# Altium PCB gpn-badge.PcbDoc (part 2 of 2)
Units mm, origin at the board's own origin, x right, y up, seen from the top; angles counter-clockwise.
Board outline 33.25 x 156.75 mm, 2 copper layers (Top Layer, Bottom Layer), stack 1.571 mm thick; 107 components, 95 nets, 455 pads, 372 vias.
Unrouted connection lines stored in the file: 1.
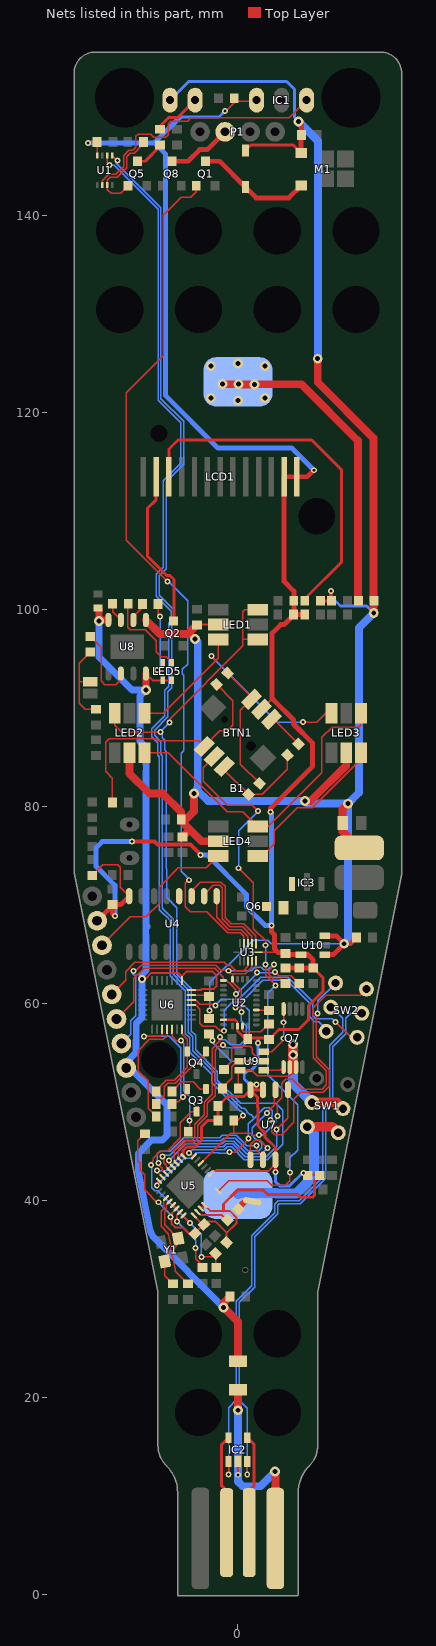
[diagram p2: the nets of this part, all layers, seen from the top]

## Via types
v1: diameter 0.6, hole 0.3, Top Layer to Bottom Layer, tented both sides, 323 vias
v2: diameter 1, hole 0.5, Top Layer to Bottom Layer, tented both sides, 25 vias
v3: diameter 0.5, hole 0.3, Top Layer to Bottom Layer, 23 vias
v4: diameter 0.8, hole 0.4, Top Layer to Bottom Layer, 1 vias

## Nets (pads, with @x,y where several pads share a name; then routed paths per layer and width w, separated by ;. In a path a pad name is that pad's centre, name@x,y a point inside that pad or via, vN(x,y) a via of type N, cw(c..) or ccw(c..) an arc to the next point about the centre after c; other vN are vias at no path point) (continued)
NetANT1_1: ANT1.1 C14.2 | length 1.5
  Top Layer w0.2: ANT1.1@0.836,40.036 ANT1.1@1.372,40.036
  Top Layer w0.635: C14.2@0.166,39.366 ANT1.1@0.836,40.036
NetB1_1: B1.1 R34.1 | length 32.4
  Top Layer w0.8: v2(-1.549,122.935) -1.524,122.909 v2(0.076,122.909) 0.102,122.884 v2(1.676,122.884) 1.676,122.909 6.452,122.909 12.179,117.181 R34.1@12.179,100.913
  other v2: 0,121.25 -2.75,121.5 2.75,121.5 -2.75,124.75 2.75,124.75 0,125
NetB1_2: B1.2 SW1.3 SW1.4 | length 17.2
  Top Layer w1: SW1.3@7.05,47.507 9.58,47.507 SW1.4@10.191,46.897
  Bottom Layer w1: B1.2@0,40.65 0.116,40.766 3.864,40.766 3.916,40.713 5.913,40.713 7.732,42.532 7.732,46.825 SW1.3@7.05,47.507
NetBTN1_1: BTN1.1 R1.2 R7.2 | length 25.5
  Top Layer w0.15: R7.2@-12.738,80.416 -12.738,82.918 -13.437,83.617 -13.437,86.538 -13.081,86.893 -8.335,86.893 -8.14,86.699 -3.993,86.699 BTN1.1@-3.408,86.114 -1.822,87.7 -1.1,87.7 -0.5,88.3 -0.5,90.769 R1.2@-2.166,92.434
NetBTN1_3: BTN1.3 R5.1 R6.2 | length 10.3
  Top Layer w0.15: BTN1.3@-1.386,84.092 -1.386,83.718 R5.1@1.085,81.246 2.482,81.246 5.034,83.798 R6.2@5.034,85.234
NetBTN1_4: BTN1.4 R1.1 R5.2 | length 13.5
  Top Layer w0.15: R1.1@-1.034,93.566 1.386,91.145 BTN1.4@1.386,90.908 0.254,89.776 0.254,84.34 R5.2@2.217,82.378
NetBTN1_6: BTN1.6 R6.1 | length 3.8
  Top Layer w0.15: BTN1.6@3.408,88.886 3.645,88.886 R6.1@6.166,86.366
NetC10_2: C10.2 U2.9 | length 1.3
  Top Layer w0.15: U2.9@1.872,59.36 3.11,59.36 C10.2@3.15,59.32 ; U2.9@1.874,59.314 U2.9@1.88,59.32
NetC14_1: C14.1 U5.2 | length 3.2
  Top Layer w0.15: U5.2@-4.116,38.848 U5.2@-3.868,38.6
  Top Layer w0.2: U5.2@-3.868,38.6 -3.818,38.55 -1.65,38.55 -1.434,38.334 C14.1@-1.166,38.334
NetC15_2: C15.2 U5.27 Y1.1 | length 9.8
  Top Layer w0.15: U5.27@-7.298,40.263 -7.551,40.01 -7.551,39.184 -7.798,38.937 -7.798,37.387 -7.053,36.642 -6.771,35.26 -7.239,34.517 -7.214,34.39 Y1.1@-7.443,33.847 -7.443,32.397 C15.2@-6.604,31.558
NetC17_2: C17.2 U6.6 | length 1.4
  Top Layer w0.15: U6.6@-4.724,60.876 C17.2@-3.372,60.876
NetC19_2: C19.2 U5.28 Y1.3 | length 9.9
  Top Layer w0.15: U5.28@-6.945,39.909 -7.251,39.603 -7.251,39.06 -7.442,38.868 -7.442,37.538 Y1.3@-6.057,36.153 -5.988,35.865 -6.716,34.68 -6.35,33.044 -6.35,32.828 C19.2@-5.08,31.558
NetC28_1: C28.1 Q7.6 Q7.7 SW1.2 SW1.5 U9.6 | length 20.7
  Top Layer w0.15: C28.1@0.038,51.383 0.038,53.042 U9.6@0.222,53.227 1.429,53.227 1.979,52.677 3.266,52.677 3.318,52.625 5.23,52.625 5.588,52.983 5.588,53.313
  Top Layer w1: 5.588,53.313 v2(5.588,55.879) ; SW1.2@7.527,49.961 10.057,49.961 SW1.5@10.668,49.351
  Bottom Layer w1: v2(5.588,55.879) 5.588,51.9 SW1.2@7.527,49.961
  other v2: 5.613,54.812
NetC28_2: C28.2 R27.1 U9.5 | length 11.3
  Top Layer w0.15: R27.1@-2.667,57.288 -2.743,57.212 -2.743,57.085 -2.616,56.958 -2.768,56.806 -2.565,56.603 v1(-2.565,56.261) ; C28.2@-1.562,51.383 -1.562,51.523 -0.635,52.45 -0.635,53.618 0.146,54.399 0.146,54.101 U9.5@0.222,54.177 1.245,54.177 v1(1.27,54.151)
  Bottom Layer w0.15: v1(-2.565,56.261) -2.565,56.032 -0.684,54.151 v1(1.27,54.151)
NetC31_1: C31.1 IC3.1 Q6.3
NetD1_1: D1.1 M1.2 Q1.3 | length 11.8
  Top Layer w0.5: Q1.3@-3.277,145.546 -1.855,145.546 D1.1@0.762,142.929 1.857,141.834 5.181,141.834 M1.2@6.426,143.079
NetIC1_3: IC1.3 U1.2 | length 26.8
  Top Layer w0.15: U1.2@-13.763,143.128 -13.763,143.565 -13.111,144.216 -12.4,144.216 -11.603,145.013 -11.603,146.123 -11.067,146.66 -10.668,146.66 -10.363,146.964 -10.363,148.082 -10.135,148.311 -8.865,148.311 -8.56,148.006 -7.315,148.006 -7.061,148.26 -7.061,149.377 -6.807,149.631 -5.105,149.631 -4.775,149.962 5.193,149.962 IC1.3@6.985,151.754
NetJ2_1: pad.8@-15,92.7 R28.1 R29.2 | length 8.6
  Top Layer w0.15: pad.8@-15,92.7 -16.129,92.7 ; R28.1@-15,95.7 -16.129,94.571 -16.129,92.7 ; R29.2@-14.6,89.9 -15.5,89.9 -16.129,90.529 -16.129,92.7
NetLCD1_11: LCD1.11 R4.1 | length 36.8
  Top Layer w0.3: LCD1.11@-7,113.5 -7,116.341 -6.096,117.245 7.493,117.245 10.541,114.197 10.541,104.862 6.922,101.243 R4.1@6.922,100.914
NetLCD1_12: LCD1.12 Q2.3 | length 16.3
  Top Layer w0.3: LCD1.12@-8.3,113.5 -8.3,111.182 -9.169,110.312 -9.169,105.431 -7.207,103.469 -6.889,103.469 -6.5,103.08 -6.5,98.914 Q2.3@-6.553,98.861
NetLED1_3: LED1.3 LED2.4 LED3.6 | length 27.7
  Top Layer w0.15: LED2.4@-9.5,89.5 -7.6,89.5 -2.2,94.9 ; v1(-2.7,95.3) -2.3,94.9 -2.2,94.9 ; LED1.3@-2,97 -2,95.1 -2.2,94.9 ; v1(6.6,88.6) 8,88.6 8.9,89.5 LED3.6@9.5,89.5
  Bottom Layer w0.15: v1(-2.7,95.3) 4,88.6 v1(6.6,88.6)
NetLED2_3: LED2.3 LED3.4 LED4.6 | length 32.7
  Top Layer w0.15: LED2.3@-9.5,85.5 -7.065,85.5 -1.065,79.5 0.5,79.5 LED4.6@2,78 3.095,78 8.534,83.439 8.534,87.034 9.586,88.086 12.286,88.086 12.5,88.3 LED3.4@12.5,89.5
NetLED3_3: LED3.3 LED4.4 | length 16.3
  Top Layer w0.15: LED4.4@2,75 2,75.233 2.702,75.233 3.708,76.24 3.708,77.57 6.013,79.875 7.559,79.875 12.294,84.61 12.294,85.5 LED3.3@12.5,85.5
NetLED5_2: LED5.2 R35.1 | length 9
  Top Layer w0.15: R35.1@-11.138,100.608 -11.201,100.545 -11.201,98.246 -10.947,97.992 -9.423,97.992 -8.306,96.874 -8.306,95.757 -7.788,95.239 -7.288,95.239 -6.731,94.682 LED5.2@-6.731,94.639
NetLED5_4: LED5.4 R36.1 | length 8
  Top Layer w0.15: v1(-8.23,93.877) -7.631,94.476 LED5.4@-7.631,94.639 ; R36.1@-8.1,100.6 -8.1,99.539 v1(-7.899,99.338)
  Bottom Layer w0.15: v1(-8.23,93.877) -7.899,94.207 v1(-7.899,99.338)
NetLED6_2: LED6.2 R2.2 | length 4.8
  Top Layer w0.3: R2.2@-7.976,149.034 -7.004,150.006 -6.091,150.006 LED6.2@-4.343,151.754
NetP1_2: P1.2 Q8.3 | length 6.6
  Top Layer w0.5: Q8.3@-6.7,145.55 -5.072,145.55 -3.886,146.736 -3.099,146.736 P1.2@-1.295,148.539
NetQ3_1: Q3.1 R15.2 | length 4.1
  Top Layer w0.15: R15.2@-6.693,51.332 -6.477,51.332 -5.745,52.064 -4.542,52.064 -3.817,51.339 Q3.1@-3.241,51.339
NetQ3_2: Q3.2 R16.1 U6.24 | length 14.1
  Top Layer w0.15: v1(-9.525,56.691) -9.601,56.691 -9.618,56.675 -7.89,56.675 -7.699,56.866 U6.24@-7.699,57.374 ; R16.1@-6.693,50.062 -6.045,50.062 v1(-5.588,50.519) ; v1@-5.571,50.528 Q3.2@-4.938,51.161
  Bottom Layer w0.15: v1(-9.525,56.691) -6.96,56.691 -6.316,56.048 -6.316,56.042 -6.009,55.735 -6.003,55.735 -5.79,55.522 -5.79,50.722 v1(-5.588,50.519)
NetQ4_1: Q4.1 R16.2 | length 7.9
  Top Layer w0.15: R16.2@-8.293,49.833 -7.493,50.633 -7.493,51.572 -7.14,51.925 -6.349,51.925 -3.241,55.033 Q4.1@-3.241,55.149
NetQ4_2: Q4.2 R15.1 U6.28 | length 7.7
  Top Layer w0.15: R15.1@-8.293,51.332 -8.034,51.332 -8.034,51.455 -7.264,52.225 -6.473,52.225 -5.141,53.557 Q4.2@-5.141,55.149 -5.141,56.387 U6.28@-5.688,56.934
NetQ5_1: Q5.1 R10.2 U1.3 | length 9.6
  Top Layer w0.15: Q5.1@-11.15,143.05 -11.909,142.291 -12.878,142.291 -13.263,142.676 U1.3@-13.263,143.128 -13.263,143.641 -12.987,143.916 -12.276,143.916 -11.303,144.889 -11.303,145.999 -10.943,146.36 -10.544,146.36 -9.589,147.315 R10.2@-9.589,147.498
NetQ5_3: Q5.3 R2.1 | length 3.3
  Top Layer w0.3: Q5.3@-10.2,145.55 -9.415,145.55 -7.976,146.99 R2.1@-7.976,147.434
NetQ7_4: Q7.4 U9.3 | length 5.7
  Top Layer w0.15: U9.3@2.622,55.127 3.439,55.127 4.623,56.31 v1(4.623,56.49) ; Q7.4@4.635,59.464 4.635,58.128 v1(4.648,58.115)
  Bottom Layer w0.15: v1(4.623,56.49) 4.648,56.515 v1(4.648,58.115)
NetQ7_5: Q7.5 U9.1 | length 2.2
  Top Layer w0.15: U9.1@2.622,53.227 4.299,53.227 Q7.5@4.635,53.564
NetR11_1: R11.1 U2.4 | length 3.5
  Top Layer w0.15: U2.4@0.457,57.733 0.457,57.289 0.61,57.137 2.338,57.137 R11.1@3.15,57.949
NetR17_1: R17.1 U6.26 | length 11.4
  Top Layer w0.15: U6.26@-6.688,56.934 -6.688,56.674 -6.274,56.26 v1(-5.791,56.26) ; R17.1@-5.042,47.008 -4.902,47.148 v1(-4.902,48.132) ; R17.1@-4.864,46.969 R17.1@-4.864,47.357
  Bottom Layer w0.15: v1(-5.791,56.26) -5.49,55.959 -5.49,51.164 -4.902,50.576 v1(-4.902,48.132)
NetR18_1: R18.1 U6.25 | length 11.6
  Top Layer w0.15: R18.1@-8.293,48.563 -9.119,49.389 -9.119,52.17 -10.109,53.161 -10.109,55.244 -8.978,56.375 -7.555,56.375 -7.199,56.731 U6.25@-7.199,57.374
NetR19_1: R19.1 U5.31 | length 6.9
  Top Layer w0.15: v1(-6.2,37.9) -6.2,38.532 U5.31@-5.884,38.848 ; v1(-4.3,35.2) -4.3,34.118 -3.6,33.418 R19.1@-3.6,33.2
  Bottom Layer w0.15: v1(-6.2,37.9) -4.3,36 v1(-4.3,35.2)
NetR28_2: R28.2 U8.2 | length 8
  Top Layer w0.15: R28.2@-15,97.3 -13.9,96.2 -13.9,92.8 -13.5,92.4 -12.4,92.4 -11.885,92.915 U8.2@-11.885,93.525
NetR30_2: R30.2 U9.2 | length 6.7
  Top Layer w0.15: R30.2@-1.397,53.326 -1.397,53.391 -0.624,54.164 -0.624,55.474 -0.488,55.61 -0.421,55.677 1.243,55.677 1.448,55.472 1.448,55.015 2.286,54.177 U9.2@2.622,54.177
NetR35_2: R35.2 U8.7 | length 2
  Top Layer w0.15: R35.2@-12.7,100.6 -12.7,99.79 U8.7@-11.885,98.975
NetR36_2: R36.2 U8.6 | length 2
  Top Layer w0.15: U8.6@-10.615,98.975 -10.615,99.285 -9.7,100.2 R36.2@-9.7,100.6
NetU3_1: U3.1 U4.11 | length 12.6
  Top Layer w0.15: U4.11@-4.699,70.667 U4.11@-4.699,70.921 -4.699,71.449 -3.81,72.338 -1.727,72.338 -1.309,71.92 -1.309,68.755 -0.677,68.123 0.593,68.123 1.816,66.9 U3.1@1.816,66.091 U3.1@1.816,66.04
NetU3_2: U3.2 U4.10 | length 10.5
  Top Layer w0.15: U4.10@-3.429,70.667 U4.10@-3.429,70.921 -3.429,71.119 -2.51,72.038 -1.851,72.038 -1.609,71.795 -1.609,68.631 -0.801,67.823 0.469,67.823 1.416,66.876 U3.2@1.416,66.091 U3.2@1.416,66.04
NetU3_3: U3.3 U4.9 | length 6.7
  Top Layer w0.15: U4.9@-2.159,70.667 -2.159,68.756 -0.925,67.523 0.345,67.523 1.016,66.851 U3.3@1.016,66.091 U3.3@1.016,66.04
NetU5_20: U5.20 U7.1 | length 16.2
  Top Layer w0.15: v1(-7.01,44.068) -7.01,43.864 U5.20@-6.591,43.445 ; U7.1@1.27,44.15 1.27,45.699 1.696,46.125 2.261,46.125 2.997,45.388 v1(2.997,45.338)
  Bottom Layer w0.15: v1(-7.01,44.068) -6.999,44.068 -5.275,45.791 -1.594,45.791 -1.33,46.056 -0.398,46.056 0.892,44.767 2.426,44.767 v1(2.997,45.338)
NetU5_21: U5.21 U7.6 | length 20.7
  Top Layer w0.15: v1(-7.645,44.499) -7.535,44.389 -7.535,43.85 -7.26,43.574 -7.26,43.406 -7.193,43.34 U5.21@-6.945,43.091 ; v1@2.857,48.856 v1@2.892,48.89 ; v1(2.948,48.89) v1@2.892,48.89 ; U7.6@3.81,51.25 3.688,51.128 3.688,49.686 v1@2.892,48.89
  Bottom Layer w0.15: v1(-7.645,44.499) -7.55,44.595 -6.896,44.595 -5.399,46.091 -1.719,46.091 -1.454,46.356 -0.273,46.356 1.016,45.067 2.122,45.067 2.43,45.374 2.43,45.809 2.104,46.135 1.916,46.135 1.609,46.442 1.609,46.52 1.592,46.52 1.448,46.664 1.448,47.42 2.918,48.89 v1(2.948,48.89)
NetU5_22: U5.22 U7.2 | length 15.6
  Top Layer w0.15: v1(-8.06,43.827) -8.06,43.577 -8.012,43.577 -7.705,43.269 -7.705,43.144 U5.22@-7.298,42.737 ; v1(1.905,45.592) 1.905,45.109 2.54,44.474 U7.2@2.54,44.15
  Bottom Layer w0.15: v1@-7.942,43.946 v1(-8.06,43.827) -8.17,43.937 -8.17,44.748 -7.894,45.024 -6.891,45.024 -5.524,46.391 -1.843,46.391 -1.578,46.656 -0.149,46.656 0.916,45.592 v1(1.905,45.592)
NetU5_23: U5.23 U7.5 | length 21.7
  Top Layer w0.15: v1(-8.23,43.052) -8.319,43.052 U5.23@-7.652,42.384 ; v1(3.937,47.219) 3.937,47.243 5.08,48.386 U7.5@5.08,51.25
  Bottom Layer w0.15: v1(-8.23,43.052) -7.284,43.052 -5.525,44.811 -5.525,45.117 -5.151,45.491 -1.47,45.491 -1.205,45.756 -0.522,45.756 0.768,44.467 2.869,44.467 3.937,45.535 v1(3.937,47.219)
NRST: C25.2 Q3.3 R24.2 U5.32 | length 23.8
  Top Layer w0.15: v1(-8.814,43.61) -8.814,43.816 -8.582,44.048 -8.582,44.325 -7.873,45.034 -7.187,45.034 -5.842,46.379 -5.842,47.934 -4.737,49.039 Q3.3@-4.191,49.039 ; U5.32@-5.53,38.495 -5.53,38.397 v1(-4.851,37.718) ; v1(-3.7,34.3) -2.6,34.3 R24.2@-2.266,34.634 -2.266,33.266 C25.2@-2.2,33.2
  Bottom Layer w0.15: v1(-8.814,43.61) -8.762,43.559 -8.762,41.333 -8.455,41.026 -8.16,41.026 v1(-4.851,37.718) -3.7,36.566 v1(-3.7,34.3)
NTCSNS: U4.12
OUT1: pad.1@-12.815,60.948 U3.9 | length 16.8
  Top Layer w0.15: pad.1@-12.815,60.948 -11.405,62.358 -11.405,63.27 -10.463,64.211 -1.404,64.211 -1.099,63.906 -0.756,63.906 -0.415,63.565 -0.415,63.54 -0.233,63.358 0.571,63.358 1.016,63.803 U3.9@1.016,64.361
PCB_N: IC2.1 pad.3 | length 10.6
  Top Layer w0.3: IC2.1@0.95,15.931 1.651,15.23 1.651,11.048 1.143,10.54 pad.3@1.143,6.3 pad.3@1.143,5.866
PCB_P: IC2.3 pad.2 | length 10.6
  Top Layer w0.3: pad.2@-1.143,5.866 pad.2@-1.143,6.3 -1.143,10.54 -1.651,11.048 -1.651,15.23 IC2.3@-0.95,15.931
ROM: BTN1.2 U5.8 | length 59.8
  Top Layer w0.15: BTN1.2@-2.397,85.103 -3.531,83.969 -3.531,82.599 -1.092,80.161 1.448,80.161 v1(2.032,79.577) ; U5.8@-1.995,40.97 -0.919,42.045 2.997,42.045 3.454,41.588 4.808,41.588 4.96,41.741 4.967,41.741 5.275,42.048 5.275,42.055 5.283,42.064 v1(5.283,42.85) ; v1(0.076,73.76) 1.575,72.262 1.575,67.615 2.819,66.37 v1(2.819,65.938) ; v1(2.819,63.983) 2.819,62.916 2.816,62.912 3.835,61.893 v1(3.835,61.849)
  Bottom Layer w0.15: v1(0.076,73.76) 0.076,77.57 2.057,79.551 v1(2.032,79.577) ; v1(2.819,63.983) v1(2.819,65.938) ; v1(3.835,61.849) 3.816,61.849 3.265,61.299 3.241,61.299 3.023,61.08 3.023,52.799 6.063,49.759 6.063,45.115 5.283,44.336 v1(5.283,42.85)
SCL: pad.1@-11.829,55.965 R32.2 U2.19 U3.10 U5.19 | length 56.9
  Top Layer w0.15: U5.19@-6.237,43.798 -6.477,44.038 -6.477,45.134 -5.481,46.13 -4.653,46.13 -4.364,46.419 -4.364,47.783 -3.404,48.743 -3.404,50.011 -2.616,50.799 -2.616,55.453 -1.803,56.265 -1.803,56.457 -1.963,56.617 v1(-1.829,56.617) ; -0.541,63.024 -0.541,62.185 0.322,61.323 0.322,59.011 v1@0.356,59.045 ; v1@0.356,58.927 v1@0.356,59.045 ; v1(0.356,59.155) v1@0.356,59.045 ; U3.10@1.416,64.31 1.416,63.721 0.753,63.058 -0.65,63.058 v1(-0.94,63.348) -0.991,63.398 -1.734,63.398 -2.247,63.911 -9.834,63.911 -10.425,63.321 v1(-10.592,63.321) ; v1(3.665,63.971) 3.665,63.882 3.15,63.367 3.15,63.003 3.643,62.509 4.356,62.509 R32.2@4.826,62.04 ; v1(-10.592,63.321) -10.592,63.473 -10.744,63.321 v1(-10.592,63.321)
  Bottom Layer w0.15: pad.1@-11.829,55.965 -10.9,56.893 -10.9,58.252 -10.379,58.773 -10.379,62.767 -10.668,63.056 -10.541,63.183 -10.592,63.234 v1(-10.592,63.321) ; v1(-1.829,56.617) -1.565,56.353 -1.281,56.353 -0.741,55.812 0.219,55.812 0.843,56.436 0.843,57.779 0.356,58.266 v1(0.356,59.155) ; v1(-0.94,63.348) 1.367,63.348 1.713,63.693 2.366,63.693 2.602,63.458 3.037,63.458 3.273,63.693 3.476,63.693 3.632,63.85 3.581,63.901 3.651,63.971 v1(3.665,63.971)
SDA: pad.1@-12.322,58.456 R26.2 U2.20 U3.11 U5.18 | length 50.2
  Top Layer w0.15: pad.1@-12.322,58.456 -10.566,60.212 -10.566,62.579 -9.534,63.611 -2.372,63.611 -1.468,62.707 -1.468,62.325 -1.168,62.325 -1.168,62.378 -0.698,61.908 -0.688,61.908 -0.203,61.423 v1(-0.203,60.984) -0.203,60.273 -0.254,60.222 -0.226,60.194 v1(-0.226,59.634) ; U5.18@-5.884,44.152 -6.075,44.343 -6.075,45.112 -5.357,45.83 -4.528,45.83 -4.064,46.295 -4.064,47.658 -3.104,48.618 -3.104,49.887 -2.316,50.674 -2.316,55.275 -1.89,55.701 -1.626,55.701 v1(-1.499,55.828) ; U3.11@1.816,64.31 1.816,63.181 1.93,63.067 v1(1.93,63.168) ; v1(3.759,63.221) 4.14,62.84 5.423,62.84 R26.2@6.223,62.04
  Bottom Layer w0.15: v1(-1.499,55.828) -1.183,55.512 0.343,55.512 1.143,56.312 1.143,59.282 0.744,59.681 -0.211,59.681 v1@-0.163,59.634 ; v1(-0.226,59.634) v1@-0.163,59.634 ; v1(-0.203,60.984) -0.203,60.933 1.93,63.067 v1(1.93,63.168) 2.467,63.168 2.478,63.158 3.696,63.158 v1(3.759,63.221) ; v1@-0.076,59.547 v1@-0.163,59.634
SER_N: SW2.1 U6.5 | length 21.6
  Top Layer w0.15: U6.5@-4.724,60.376 -4.724,60.391 -4.31,60.391 -3.852,59.934 -2.403,59.934 v1(-2.286,59.817) ; v1(9.906,58.165) 11.487,56.584 SW2.1@12.102,56.584
  Bottom Layer w0.15: v1(-2.286,59.817) -2.286,59.842 -1.676,60.452 -0.575,60.452 -0.568,60.459 0.109,60.459 2.329,62.679 5.087,62.679 7.578,60.188 7.578,58.785 7.885,58.478 9.593,58.478 v1(9.906,58.165)
SER_P: SW2.6 U6.4 | length 22.2
  Top Layer w0.15: U6.4@-4.724,59.876 -4.302,59.876 -3.861,59.435 -3.861,58.014 -3.581,57.734 -2.286,57.734 -1.753,57.201 v1@-1.473,57.201 ; v1@-1.499,57.175 v1@-1.473,57.201 ; v1(-1.397,57.252) -1.422,57.252 v1@-1.473,57.201
  Bottom Layer w0.15: v1(-1.397,57.252) -1.397,59.361 -1.361,59.361 -0.584,60.137 -0.465,60.137 -0.444,60.159 -0.009,60.159 0.013,60.137 0.295,60.137 0.622,60.464 0.622,60.47 2.525,62.374 4.968,62.374 7.278,60.064 7.278,58.661 7.761,58.178 8.216,58.178 8.96,57.434 SW2.6@8.96,57.194
SW_N: IC2.6 SW2.2 | length 55.6
  Top Layer w0.15: v1(0.95,12.201) IC2.6@0.95,13.531
  Bottom Layer w0.15: v1(0.95,12.201) 0.95,18.911 0.148,19.714 0.148,29.686 1.688,31.227 1.688,36.328 4.025,38.665 4.025,39.516 4.197,39.688 6.337,39.688 8.911,42.262 8.911,49.227 9.613,49.929 9.613,55.644 10.943,56.974 10.943,58.546 11.435,59.038 SW2.2@12.579,59.038
SW_P: IC2.4 SW2.5 | length 55.4
  Top Layer w0.15: v1(-0.95,12.18) IC2.4@-0.95,13.531
  Bottom Layer w0.15: v1(-0.95,12.18) -0.95,18.962 -0.152,19.76 -0.152,29.811 1.388,31.351 1.388,36.452 3.725,38.789 3.725,39.641 4.073,39.988 6.213,39.988 8.611,42.386 8.611,49.351 9.313,50.053 9.313,55.768 10.643,57.098 10.643,58.546 9.54,59.649 SW2.5@9.437,59.649
USB_N: R20.1 SW2.3 U1.6 U5.14 | length 143.4
  Top Layer w0.15: U1.6@-13.263,146.128 -13.263,145.394 v1(-13.056,145.186) ; U5.14@-3.763,43.798 -0.733,46.828 -0.398,46.828 ; v1(0.508,48.641) 0.457,48.641 -0.052,48.132 R20.1@-0.419,48.132 -0.419,46.849 -0.398,46.828 ; v1@2.11,46.66 1.452,46.66 1.284,46.828 -0.398,46.828 ; v1(4.013,48.616) 4.013,49.957 3.988,49.983 4.445,50.44 4.445,51.907 4.863,52.325 5.297,52.325 5.3,52.323 5.539,52.323 6.533,51.329 8.564,51.329 8.991,51.755 8.991,53.195 7.673,54.512 7.673,58.69 7.578,58.785 7.578,59.519 8.915,60.857 12.421,60.857 SW2.3@13.056,61.492
  Bottom Layer w0.15: v1(-13.056,145.186) -13.005,145.136 -12.548,145.136 -8.111,140.699 -8.111,121.293 -5.817,118.999 -5.817,114.902 -7.59,113.129 -7.59,104.306 -8.288,103.608 -8.288,101.367 -6.765,99.845 -6.765,99.704 -6.774,99.695 -6.774,98.872 -6.999,98.647 -6.999,92.228 -7.417,91.811 -7.417,89.253 -8.759,87.91 -8.759,87.119 -8.125,86.484 -8.125,86.228 -8.149,86.205 -8.149,85.798 -8.14,85.79 -8.14,85.229 -7.971,85.06 -7.971,69.567 -6.879,68.475 -6.879,62.847 -5.782,61.751 -5.778,61.751 -5.324,61.297 -5.324,56.96 -4.89,56.526 -4.89,55.081 -2.672,52.862 -2.672,51.993 -0.012,49.333 0.251,49.07 0.358,49.07 0.508,48.92 v1(0.508,48.641) v1@0.508,48.768 ; v1(2.134,46.66) 2.516,46.66 3.54,47.684 3.545,47.684 3.852,47.992 3.852,48.277 4.013,48.438 v1(4.013,48.616)
USB_P: SW2.4 U1.5 U5.24 | length 148.3
  Top Layer w0.15: U1.5@-12.763,146.128 -12.253,145.618 v1(-12.243,145.618) ; v1(-8.237,41.551) -8.237,41.685 -8.294,41.741 U5.24@-8.005,42.03 ; v1(-0.864,44.931) -0.279,44.931 1.092,46.303 v1(1.067,46.303) ; v1(3.327,48.209) 3.412,48.125 3.412,47.001 3.72,46.694 4.429,46.694 5.69,47.954 5.69,50.317 6.401,51.029 8.688,51.029 9.291,51.631 9.291,53.319 7.973,54.636 7.973,58.874 v1(8.103,59.003)
  Bottom Layer w0.15: v1(-12.243,145.618) -12.243,145.44 -12.335,145.348 -7.811,140.823 -7.811,121.418 -5.517,119.123 -5.517,114.778 -7.29,113.005 -7.29,104.182 -7.988,103.484 -7.988,101.491 -6.465,99.969 -6.465,99.501 -6.474,99.492 -6.474,98.748 -6.699,98.523 -6.699,92.104 -7.117,91.686 -7.117,89.128 -8.459,87.786 -8.459,87.243 -7.825,86.609 -7.825,86.104 -7.849,86.081 -7.84,86.072 -7.84,85.353 -7.671,85.184 -7.671,69.692 -6.579,68.6 -6.579,62.971 -5.658,62.051 -5.654,62.051 -5.024,61.421 -5.024,57.084 -4.59,56.65 -4.59,55.205 -2.372,52.986 -2.372,52.117 0.375,49.37 0.669,49.37 0.923,49.117 0.923,49.008 1.23,48.7 1.339,48.7 1.652,48.387 ; v1@-7.999,41.608 -8.237,41.37 v1(-8.237,41.551) -5.458,44.33 -4.736,44.33 -4.219,44.847 -1.942,44.847 -1.899,44.804 -0.864,44.804 v1(-0.864,44.931) ; v1(1.067,46.303) 1.067,47.801 1.652,48.387 ; v1@3.454,48.386 3.454,48.654 3.473,48.673 3.473,49.108 3.165,49.415 2.73,49.415 2.685,49.37 2.635,49.37 1.652,48.387 ; v1(8.103,59.003) 8.103,60.291 SW2.4@9.914,62.103
VBAT: *.1 C1.2 C2.2 C3.2 C27.2 C29.2 C30.2 D1.2 LED1.2 LED2.2 LED3.2 LED4.2 LED6.1 M1.1 R4.2 R12.2 R27.2 R34.2 U8.5 U10.1 U10.3 | length 219.6
  Top Layer w0.15: v1(-2.87,59.309) -3.059,59.309 -2.794,59.044 R27.2@-2.794,58.507
  Top Layer w0.2: C3.2@-4.166,98.5 LED1.2@-2,98.5
  Top Layer w0.3: C1.2@-5.753,78.713 C1.2@-5.613,78.573 ; D1.2@0.762,146.629 1.326,147.193 5.612,147.193 M1.1@6.426,146.379 ; C2.2@6.426,148.22 C2.2@6.464,148.258 ; R4.2@8.522,100.913 9.449,100.913 v1(9.449,101.905)
  Top Layer w0.5: v2(6.147,149.581) 6.464,149.263 6.464,148.258 C2.2@6.464,148.209 6.426,148.171 M1.1@6.426,146.379 ; U10.1@8.82,64.987 9.693,64.987 v2(10.795,66.089) ; U10.3@8.82,66.887 9.997,66.887 v2(10.795,66.089) ; C29.2@12.052,66.724 11.417,66.089 v2(10.795,66.089)
  Top Layer w0.8: LED2.2@-11,85.5 -11,83.365 -8.965,81.33 -7.619,81.33 -5.753,79.464 C1.2@-5.753,78.713 ; U8.5@-9.345,98.975 -7.905,97.535 -4.877,97.535 -4.877,97.752 C3.2@-4.166,98.463 ; R12.2@-5.613,76.948 -4.899,77.663 -4.899,77.699 ; v2(-4.47,81.33) -4.47,79.53 -5.6,78.4 -4.899,77.699 ; LED4.2@-2,76.5 -3.7,76.5 -4.899,77.699 ; v2(6.8,80.6) 7.4,80.6 11,84.2 LED3.2@11,85.5 ; v2(8.103,125.501) 8.103,123.112 13.779,117.436 13.779,115.988 13.775,115.983 13.775,100.917 R34.2@13.779,100.913 ; v2(11.176,80.313) 11.201,80.313 10.632,79.744 C30.2@10.632,78.358 10.632,77.506 *.1@12.319,75.819 ; v2(13.792,99.67) 13.792,100.876 R34.2@13.83,100.914
  Bottom Layer w0.15: v1(-2.87,59.309) -2.87,62.16 -1.157,63.873 -1.05,63.873 1.541,66.463 3.037,66.463 3.411,66.089 v2(10.795,66.089)
  Bottom Layer w0.3: LED6.1@-6.883,151.754 -4.993,153.645 4.953,153.645 5.74,152.857 5.74,149.987 v2(6.147,149.581) ; v1(9.449,101.905) 9.449,101.346 10.414,100.381 13.081,100.381 v2(13.792,99.67)
  Bottom Layer w0.8: v2(-4.47,81.33) -4.115,81.685 ; v2(-4.369,97.027) -4.078,96.735 -4.078,82.02 -4.115,81.983 -4.115,81.685 ; v2(6.147,149.581) 8.128,147.599 8.128,125.527 v2(8.103,125.501) ; v2(10.795,66.089) 11.176,66.47 v2(11.176,80.313) ; v2(13.792,99.67) 12.282,98.159 12.282,81.419 v2(11.176,80.313) ; -4.115,81.685 -3.03,80.6 v2(6.8,80.6) 7.087,80.313 v2(11.176,80.313)
VBUS: C16.2 C26.2 LED5.1 LED5.3 pad.1@-11.335,53.473 R31.2 U6.7 U6.8 U8.4 U8.8 | length 107.9
  Top Layer w0.2: v4(-9.754,62.508) -9.412,62.508 -8.777,63.143 -8.028,63.143 -7.277,63.143 -6.045,63.143 -5.699,62.797 U6.8@-5.699,62.778 ; U8.4@-9.345,93.525 -8.659,92.839 LED5.3@-7.631,92.839 LED5.1@-6.731,92.839 ; U6.8@-5.699,62.324 U6.8@-5.699,62.351 U6.8@-5.699,62.778 ; U6.7@-4.724,61.376 -3.799,61.376 -3.658,61.517 -2.443,61.517 -2.196,61.764 -2.196,62.871 -2.612,63.286 -5.191,63.286 U6.8@-5.699,62.778
  Top Layer w0.7: C26.2@-14.2,100.2 -14.097,100.097 v2(-14.097,98.855) -13.977,98.975 U8.8@-13.155,98.975 ; U8.4@-9.345,93.525 -9.345,91.868 v2(-9.334,91.858)
  Top Layer w0.8: C16.2@-0.8,30.275 -1.448,29.628 v2(-1.448,29.158) 0,27.71 R31.2@0,23.7
  Bottom Layer w0.7: v2(-14.097,98.855) -14.097,95.223 -10.731,91.858 v2(-9.334,91.858) -9.934,91.258 -9.934,86.632 -9.324,86.021 -9.324,84.318 -9.309,84.304 -9.309,83.641 -9.324,83.627 -9.324,67.945 -9.203,67.824 -9.36,67.667 -9.36,67.004 -9.347,66.991 -9.347,63.372 -9.754,62.965 v4(-9.754,62.508) -9.754,58.585 -10.325,58.013 -10.325,56.284 -10.329,56.28 -10.329,55.343 -10.35,55.322 -10.35,55.028 -11.335,54.043 pad.1@-11.335,53.473 -10.955,53.473 -7.21,49.728 -7.21,46.622 -7.678,46.154 -8.761,46.154 -10.109,44.806 -10.109,43.002 -8.89,36.906 -8.584,36.294 v2(-1.448,29.158)
VDD3: BTN1.5 C5.2 C13.2 C18.2 C20.2 C21.2 C22.2 C23.2 C24.2 C32.2 C34.2 C35.2 IC1.1 LCD1.1 LCD1.2 pad.1@-14.295,68.423 R3.1 R9.2 R11.2 R20.2 R21.1 R22.1 R23.1 R24.1 R26.1 R32.1 U1.8 U2.3 U2.28 U3.12 U4.16 U5.1 U5.3 U5.4 U5.11 U5.17 U5.29 U5.30 U7.3 U7.7 U7.8 U10.5 | length 278.4
  Top Layer w0.15: v1(-15.215,147.422) -13.906,147.422 -14.263,147.065 U1.8@-14.263,146.128 ; R9.2@-14.522,73.311 -13.741,74.092 -12.217,74.092 -11.963,73.838 -11.963,71.835 U4.16@-11.049,70.921 ; R22.1@-9.423,46.798 -10.148,46.073 -10.148,44.031 -9.939,43.821 -9.939,43.105 -9.482,42.648 -9.482,41.091 -8.153,39.763 v1(-8.076,39.841) ; v1@-7.083,38.305 -7.061,38.327 v1(-6.858,38.327) ; v1(-1.295,150.673) -1.168,150.673 -0.368,151.473 C34.2@-0.368,151.943 ; C34.2@-0.343,151.638 1.789,151.638 IC1.1@1.905,151.754 ; U3.12@2.016,65.226 3.117,65.226 3.135,65.244 4.047,65.244 ; BTN1.5@2.397,89.897 3.33,90.83 3.658,90.83
  Top Layer w0.2: U5.29@-6.591,39.555 U5.30@-6.237,39.202 -6.75,38.689 -6.75,37.672 -6.378,37.3 -5.6,37.3 -4.966,36.666 C22.2@-4.366,36.666 -3.6,37.431 C20.2@-3.6,37.566 ; U5.1@-4.47,38.495 C20.2@-3.6,37.625 ; U5.3@-3.763,39.202 U5.4@-3.409,39.555 -2.816,38.962 -1.499,38.962 -0.838,38.962 -0.144,38.268 -0.144,37.725 -1.134,36.734 ; C20.2@-3.466,37.566 -3.131,37.9 -2.3,37.9 -1.134,36.734 ; U5.11@-2.702,42.737 -2.439,43 3.098,43 U7.3@3.81,43.712 ; R24.1@-1.134,35.766 -1.134,36.734
  Top Layer w0.25: U2.28@-1.469,58.37 -0.742,58.37 -0.724,58.353 -0.719,58.358 -0.367,58.358 -0.362,58.353 -0.344,58.37 -0.282,58.37 -0.041,58.13 -0.041,57.241
  Top Layer w0.3: U5.17@-5.53,44.505 -5.553,44.505 -5.553,45.104 -5.202,45.455 -4.373,45.455 -3.689,46.139 -3.689,47.503 -3.06,48.132 R20.2@-2.019,48.132 C23.2@-2.019,49.63 -1.067,50.583 0.612,50.583 U7.8@1.27,51.241 ; -1.499,38.962 -1.467,38.994 -1.467,39.659 -0.056,41.07 2.593,41.07 3.05,40.613 6.097,40.613 6.363,40.348 7.597,40.348 7.773,40.524 7.773,42.025 C13.2@8.306,42.558 ; -0.041,57.241 0.686,56.514 2.057,56.514 ; v1(1.88,51.791) 1.854,51.765 1.854,51.25 ; v1(2.032,56.007) 2.057,56.032 2.057,56.514 ; U7.7@2.54,51.25 1.854,51.25 ; v1(3.81,42.925) 3.81,43.712 U7.3@3.81,44.15 3.81,45.393 2.734,46.469 2.734,46.908 2.382,47.26 2.372,47.26 2.048,47.584 2.048,49.474 1.97,49.551 1.97,50.54 U7.8@1.27,51.241 ; R23.1@7.087,42.658 C13.2@8.56,42.658 ; C5.2@7.645,63.64 8.636,62.649 8.636,61.265 7.163,59.792 7.163,58.369 6.172,57.379 4.18,57.379 R11.2@3.15,56.349 2.985,56.514 2.057,56.514 ; U7.8@1.27,51.241 U7.8@1.27,51.25 1.854,51.25
  Top Layer w0.4: v1(-10.744,76.454) -8.458,76.454 -8.153,76.149 -6.26,76.149 -6.258,76.148 -4.968,76.148 -4.799,76.148 -3.81,75.159 v1(-3.81,75.108)
  Top Layer w0.5: pad.1@-14.295,68.423 C35.2@-12.751,69.967 ; v1(-12.497,68.91) -12.751,69.164 C35.2@-12.751,69.967 ; U4.16@-11.049,70.921 -11.905,70.065 C35.2@-12.751,70.065 C35.2@-12.751,69.967 ; v1(3.327,79.451) 3.327,79.858 7.595,84.125 7.595,86.462 5.651,88.405 5.651,88.837 3.658,90.83 3.48,91.008 3.48,97.638 4.342,98.5 4.685,98.5 R21.1@5.702,99.517 ; v1(3.429,67.945) 3.429,67.285 3.718,66.996 3.718,65.573 4.047,65.244 ; 4.08,65.212 4.826,65.212 5.051,64.987 U10.5@6.42,64.987 7.124,64.987 7.645,64.465 C5.2@7.645,63.64 R32.1@4.826,63.64 ; C24.2@6.922,99.517 C24.2@6.795,99.517 R21.1@5.702,99.517 ; v1(7.722,114.173) 7.696,114.173 7.034,113.511 LCD1.1@5.997,113.511 LCD1.2@4.697,113.511 4.697,102.872 5.677,101.892 R3.1@5.677,100.914 5.677,99.543 R21.1@5.702,99.517
  Bottom Layer w0.15: v1(-8.076,39.841) -6.858,38.623 v1(-6.858,38.327)
  Bottom Layer w0.3: -5.867,150.038 -1.93,150.038 v1(-1.295,150.673) ; v1(1.88,51.791) 1.207,51.791 0.645,52.353 0.645,52.851 0.996,53.202 1.314,53.202 2.032,53.92 v1(2.032,56.007) ; v1(3.81,42.925) 3.8,42.915 3.8,41.96 4.247,41.513 5.243,41.513 6.655,42.925 v1(6.655,42.799)
  Bottom Layer w0.5: v1(-15.215,147.422) -8.484,147.422 ; v1(-12.497,68.91) -12.497,72.034 -14.402,73.939 -14.402,75.844 -13.792,76.454 v1(-10.744,76.454) ; -5.867,150.038 -8.484,147.422 ; v1(-3.81,75.108) -3.124,75.108 0.864,71.12 0.864,69.85 2.769,67.945 v1(3.429,67.945) 3.429,79.35 v1(3.327,79.451) ; v1(7.722,114.173) 5.461,116.434 -2.032,116.434 -7.336,121.738 -7.336,146.274 -8.484,147.422
VIBRATOR: Q1.1 U3.4 | length 88.3
  Top Layer w0.15: v1(-7.137,102.869) -11.328,107.06 -11.328,122.046 -7.569,125.805 -7.569,140.081 -5.74,141.91 -4.775,141.91 -4.227,142.458 Q1.1@-4.227,143.046 ; v1(-4.978,72.542) -5.028,72.542 -5.334,72.236 -5.334,69.823 -4.826,69.315 -3.142,69.315 -1.05,67.223 0.22,67.223 0.616,66.827 U3.4@0.616,66.091 U3.4@0.616,66.04
  Bottom Layer w0.15: v1(-7.137,102.869) -7.036,102.869 -6.45,102.283 -6.274,102.107 -5.105,100.938 -5.105,94.494 -5.656,93.943 -5.656,93.509 -5.479,93.332 -5.479,85.683 -5.753,85.41 -5.753,74.352 -5.75,74.349 -5.75,73.473 -4.978,72.701 v1(-4.978,72.542)
VUSB: IC2.5 pad.4@3.81,5.7 R31.1 | length 22.2
  Top Layer w0.2: v1(0,12.165) IC2.5@0,13.531
  Top Layer w0.8: v2(0,18.718) R31.1@0,20.8 ; v2(3.785,12.495) 3.81,12.521 pad.4@3.81,5.7 pad.4@3.81,5.612
  Bottom Layer w0.8: v2(0,18.718) v1(0,12.165) 0,11.479 0.483,10.997 2.286,10.997 v2(3.785,12.495)
WS2813: LED1.4 LED1.6 LED2.6 U5.16 | length 85.6
  Top Layer w0.15: LED2.6@-12.5,89.5 -12.5,88.294 -11.78,87.573 v1(-7.848,87.573) ; v1(-6.934,88.568) -6.934,88.893 0.508,96.335 0.508,97 ; v1(-4.953,44.855) -4.603,44.505 U5.16@-4.47,44.505 ; LED1.4@2,97 0.508,97 ; LED1.6@2,100 0.687,100 0.508,99.821 0.508,97
  Bottom Layer w0.15: v1(-6.934,88.568) -7.889,87.614 v1(-7.848,87.573) -7.662,87.387 -7.662,87.006 -7.412,86.756 -7.412,85.771 -7.253,85.612 -7.253,73.731 -7.25,73.728 -7.25,70.823 -6.188,69.761 -6.188,63.005 -5.534,62.351 -5.53,62.351 -4.724,61.545 -4.724,57.208 -4.29,56.774 -4.29,55.329 -2.072,53.111 -2.072,52.241 0.29,49.879 3.821,49.879 4.538,49.162 4.538,45.712 2.993,44.167 0.643,44.167 -0.646,45.456 -1.081,45.456 -1.389,45.149 -4.659,45.149 v1(-4.953,44.855)
WS_EXPD: LED4.3 pad.1@-13.802,65.931 | length 16.6
  Top Layer w0.15: pad.1@-13.802,65.931 -10.924,68.809 -9.344,68.809 -7.959,70.193 -7.959,71.897 -6.071,73.786 -3.214,73.786 LED4.3@-2,75
pads on no net: B1.0 BTN1.0 LCD1.8 LCD1.13 LED1.1 LED2.1 LED3.1 LED4.1 P1.3 Q3.0 Q4.0 Q7.1 Q7.8 SW1.1 SW1.6 U2.1 U2.7 U2.8 U2.11 U2.12 U2.13 U2.17 U2.21 U2.22 U2.23 U2.24 U2.26 U2.27 U5.5 U6.1 U6.2 U6.9 U6.10 U6.11 U6.12 U6.13 U6.14 U6.15 U6.16 U6.17 U6.18 U6.19 U6.20 U6.21 U6.22 U6.23 U6.27 U9.4 U10.4

## Polygon pours and split planes (outlines as drawn)
GND on Top Layer "Mechanical 1-No Net" (solid, remove dead copper, pour order 5): -7.24,13.06 cw(c-5.097,15.202) -8.126,15.107 cw(c-8,15.126) -8.127,15.126 -8.127,30.787 -16.625,73.275 cw(c-16.5,73.3) -16.627,73.3 -16.627,154.5 cw(c-14.5,154.5) -14.5,156.627 14.5,156.627 cw(c14.5,154.5) 16.627,154.5 16.627,73.2 cw(c16.502,73.2) 16.625,73.175 8.127,30.687 8.127,15.202 cw(c5.098,15.202) 7.241,13.061
NetC31_1 on Top Layer "Top Layer-No Net" (solid, pour order 4): 5.893,73.355 6.223,73.025 6.223,71.271 5.488,70.536 5.488,68.887 4.85,68.248 2.794,68.248 2.032,69.01 2.032,71.042 4.345,73.355
Net*_2 on Top Layer "Top Layer-No Net" (solid, pour order 2): 9.22,74.446 14.732,74.446 15.291,73.887 15.291,71.449 14.63,70.788 14.63,68.756 14.122,68.248 11.176,68.248 10.49,68.934 10.49,70.28 9.906,70.865 8.103,70.865 7.772,71.195 7.772,72.998
5V on Top Layer "Top Layer-No Net" (solid, pour order 0): 5.622,68.875 6.248,68.248 9.957,68.248 10.49,68.782 10.49,70.28 9.906,70.865 8.103,70.865 7.747,71.22 7.747,73.076 9.22,74.549 9.22,78.485 8.331,79.374 5.537,79.374 3.708,77.545 3.708,76.24 3.108,75.64 3.108,74.589 4.267,73.43 5.945,73.43 6.299,73.076 6.299,71.298 5.622,70.62
GND on Bottom Layer "Mechanical 1-No Net" (solid, remove dead copper, pour order 6): -7.24,13.06 cw(c-5.097,15.202) -8.126,15.107 cw(c-8,15.126) -8.127,15.126 -8.127,30.787 -16.625,73.275 cw(c-16.5,73.3) -16.627,73.3 -16.627,154.5 cw(c-14.5,154.5) -14.5,156.627 14.5,156.627 cw(c14.5,154.5) 16.627,154.5 16.627,73.2 cw(c16.502,73.2) 16.625,73.175 8.127,30.687 8.127,15.202 cw(c5.098,15.202) 7.241,13.061

## Other copper
Top Layer:
  pour cut-out: 10.185,39.089 2.535,40.581 ccw(c2.302,39.385) 1.106,39.617 -0.125,33.284 ccw(c0.922,33.081) 0.718,32.034 0.954,31.988 cw(c-0.532,28.098) 3.359,26.612 ccw(c3.35,28.166) 4.565,27.197 5.258,26.504 8.131,26.504 ccw(c8.329,27.527) 9.352,27.328
Bottom Layer:
  pour cut-out: 10.182,39.085 2.532,40.578 ccw(c2.299,39.381) 1.103,39.613 -0.128,33.28 ccw(c0.919,33.077) 0.715,32.03 0.951,31.984 cw(c-0.535,28.094) 3.356,26.608 ccw(c3.347,28.163) 4.562,27.194 5.255,26.501 8.128,26.501 ccw(c8.326,27.523) 9.349,27.324

## Silkscreen, mask and mechanical layers (free items; w line width, h text height)
Top Overlay:
  text "+" at -8.255,149.911 h1
  text "1A charging _" at -15.392,82.728 h1.5 r90
Bottom Overlay:
  lines w0.25: -12.75,67.25 -12.75,74.75
  text "gulas.ch/GulaschPushNotifier" at 14.5,120.25 h2 r90
  text "GND" at -12.406,88.771 h1
  text "3V" at -12.406,87.271 h1
  text "LED" at -12.406,85.771 h1
  text "AIN" at -12.406,84.271 h1
  text "DOUT" at -12.406,82.771 h1
  text "SDA" at -12.406,81.271 h1
  text "SCL" at -12.406,79.771 h1
  text "VUSB" at -12.406,78.271 h1
  text "RX" at -12.406,76.771 h1
  text "TX" at -12.406,75.271 h1
  text "Jan Henrik H" at 8.75,36.25 h1.52
  text "Moritz H." at 6,33.5 h1.52
  text "Niklas F." at 6,30.75 h1.52
Top Solder:
  text "Gulasch" at 4,95.849 h3.5
  text "Push" at 4,93.449 h3.5
  text "Notifier" at 4,91.049 h3.5
Mechanical 1:
  lines w0.254: -8,15.126 -8,30.8 -16.5,73.3 -16.5,154 -16.5,154.5 cw(c-14.5,154.5) -14.5,156.5 14.5,156.5 cw(c14.5,154.5) 16.5,154.5 16.5,154 16.5,73.2 8,30.7 8,15.202 ; -8,15.202 ccw(c-5.098,15.202) -7.15,13.15 cw(c-9.926,10.374) -6,10.374 -6,0 6,0 6,10.374 cw(c9.926,10.374) 7.15,13.15 ccw(c5.098,15.202) 8,15.202
Mechanical 2:
  lines w0.254: -80,126.5 -80,142.5 80,142.5 80,126.5 -80,126.5 ; -40,14.5 -40,30.5 40,30.5 40,14.5 -40,14.5

## Text inside footprints (layer, text, board x,y; h text height)
IC1: Top Overlay "RX" at 3.175,153.532 h1.52
LCD1: Mechanical 13 "Double Side Tape" at -6.203,140.411 h0.8; Mechanical 13 "Double Side Tape" at 15.797,120.011 h0.8 r90; Mechanical 13 "Double Side Tape" at -15.103,120.011 h0.8 r90
LED6: Top Overlay "TX" at -6.883,153.532 h1.52